# Altium PCB GND_Studio.PcbDoc
Units mm, origin at the board's own origin, x right, y up, seen from the top; angles counter-clockwise.
Board outline 70 x 78.1 mm, 2 copper layers (Top Layer, Bottom Layer); 79 components, 142 nets, 491 pads, 94 vias.
Unrouted connection lines stored in the file: 1.
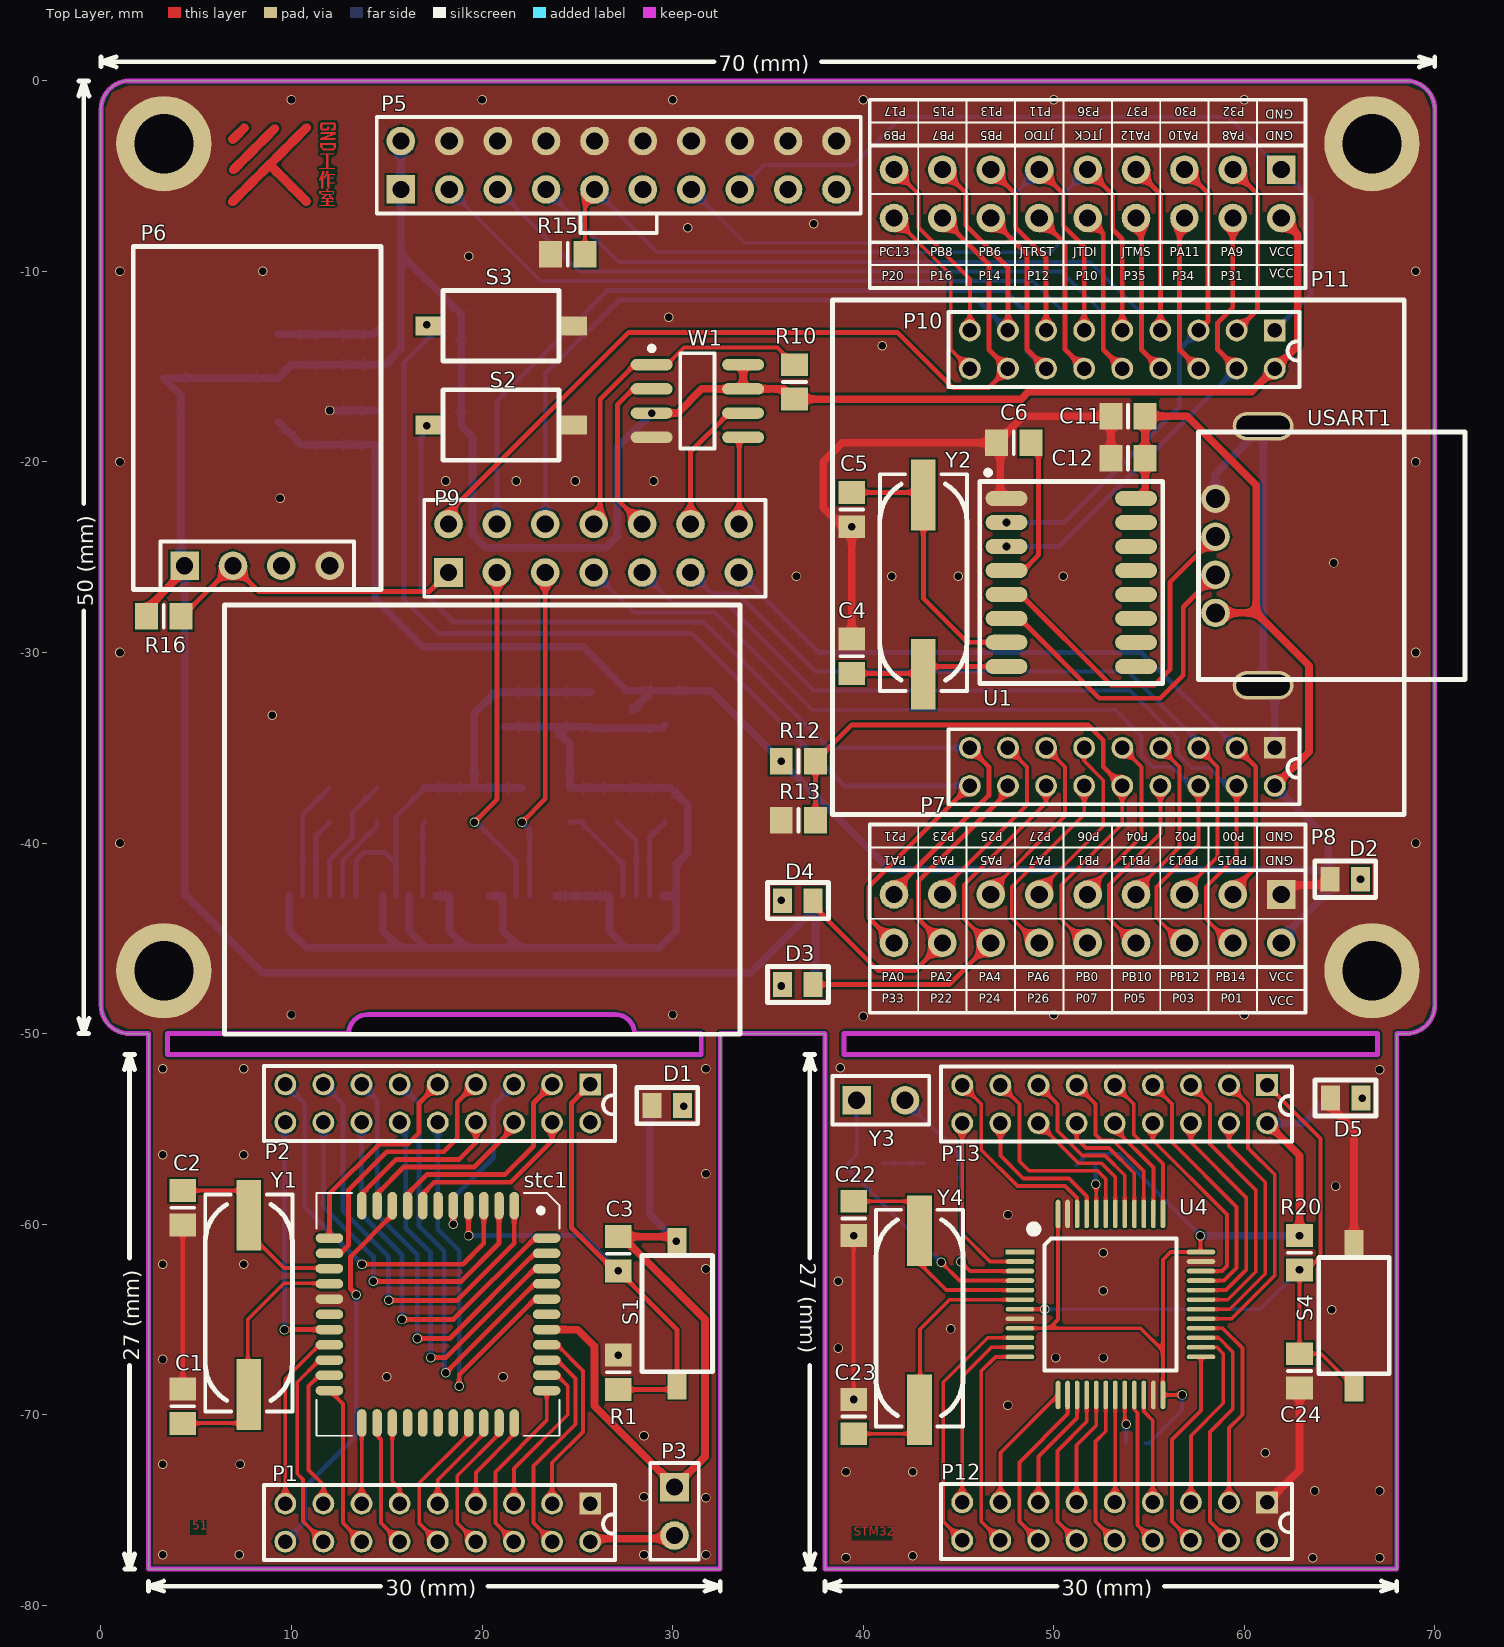
[diagram p0: Top Layer view]
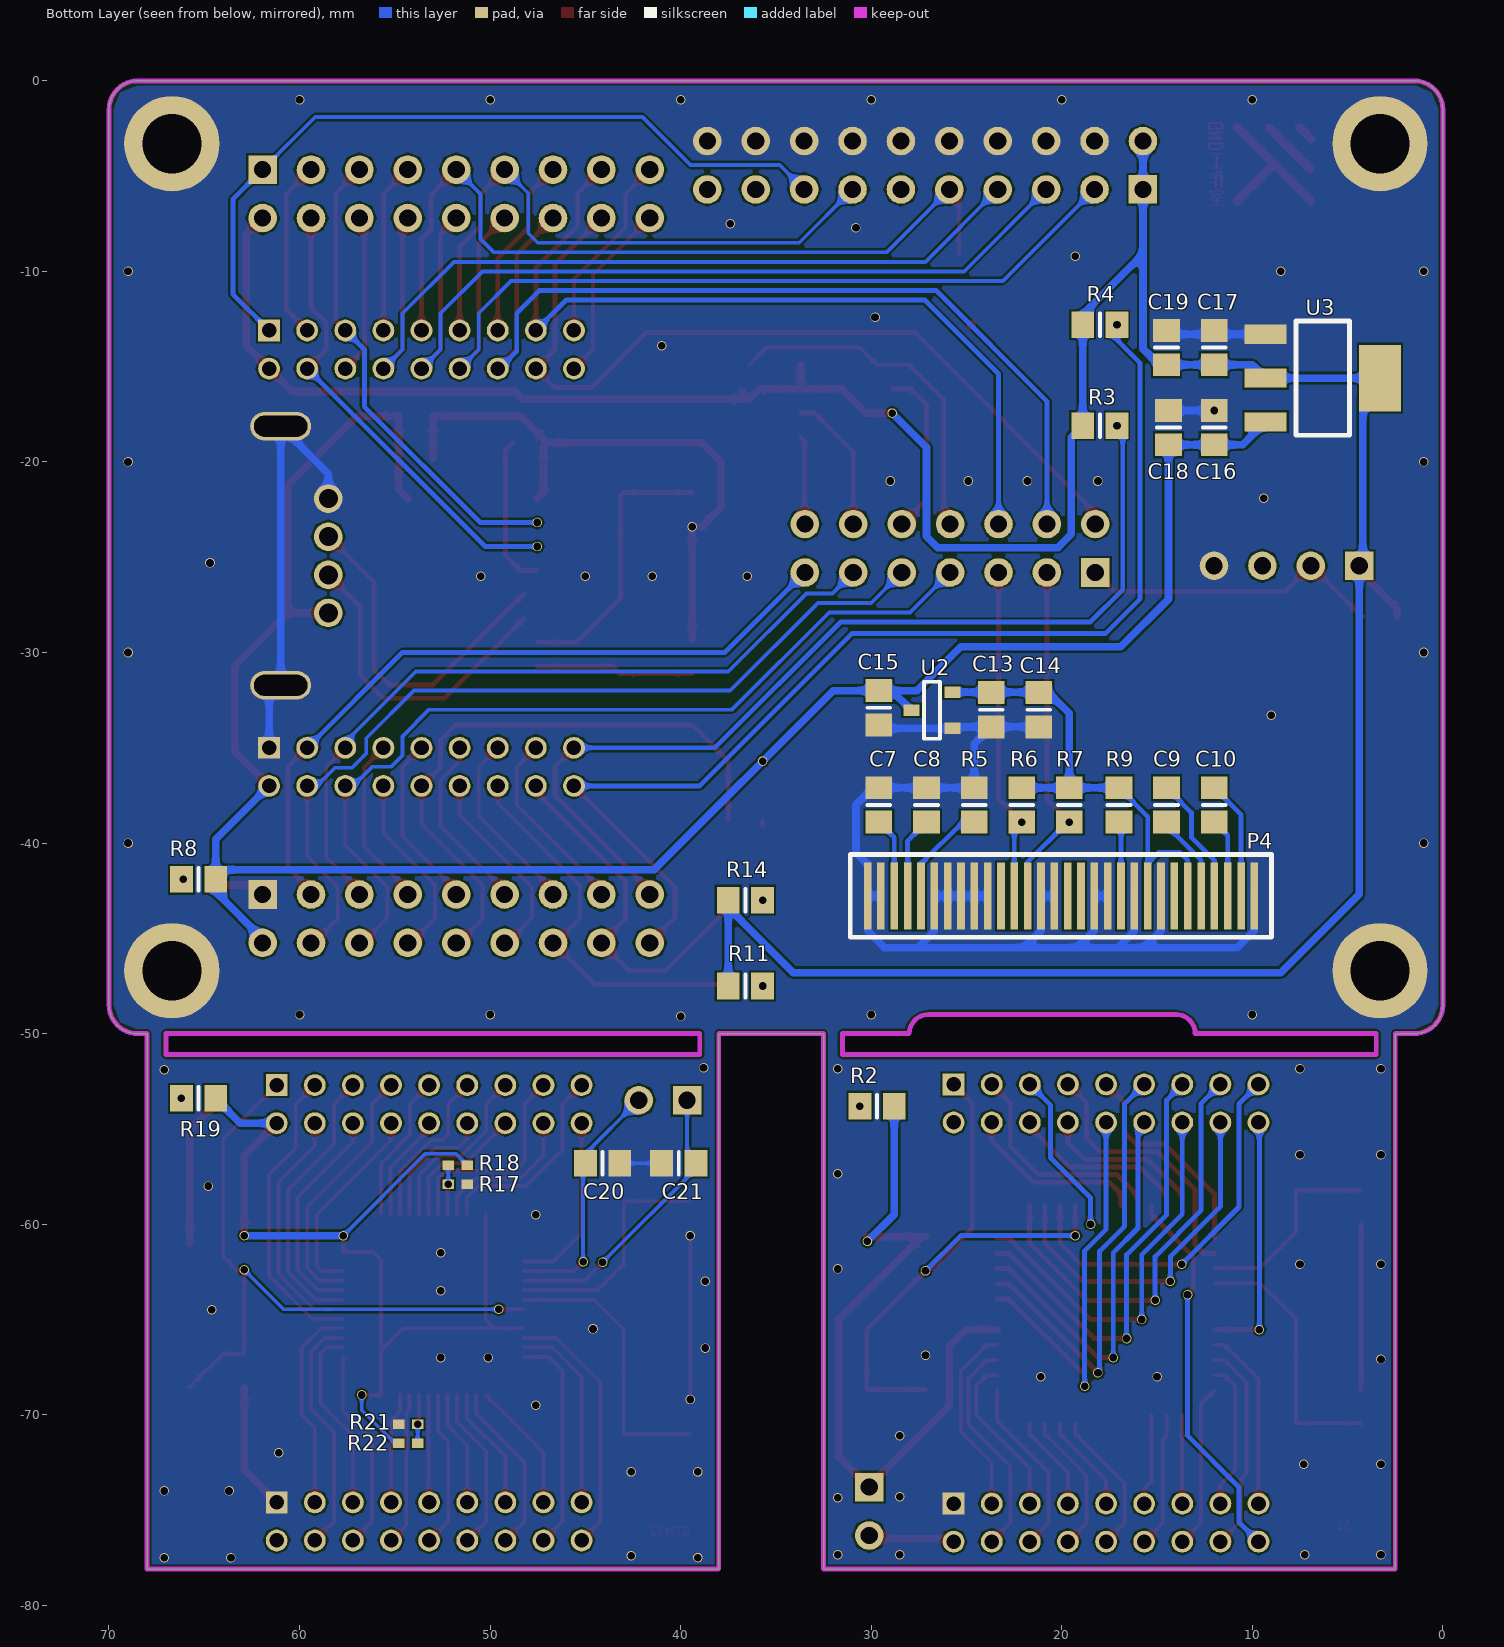
[diagram p1: Bottom Layer view, seen from below]

## Layer stack, top to bottom
Top Solder: solder mask 0.0102, Solder Resist, Dk 3.5
Top Layer: signal copper 0.0356
Dielectric 1: dielectric 0.32, FR-4, Dk 4.8
Bottom Layer: signal copper 0.0356
Bottom Solder: solder mask 0.0102, Solder Resist, Dk 3.5

## Board outline
2.5,-78.1 2.5,-50 1.5,-50 cw(c1.5,-48.5) 0,-48.5 0,-1.5 cw(c1.5,-1.5) 1.5,0 68.5,0 cw(c68.5,-1.5) 70,-1.5 70,-48.5 cw(c68.5,-48.5) 68.5,-50 68,-50 68,-78.1 38,-78.1 38,-50 32.5,-50 32.5,-78.1
cut-out: 39,-51.1 67,-51.1 67,-50 39,-50
cut-out: 3.5,-51.1 3.5,-50 13,-50 cw(c14,-50) 14,-49 27,-49 cw(c27,-50) 28,-50 31.5,-50 31.5,-51.1

## Design rules (kind name [scope] priority, off if disabled: settings)
Clearance [All] p1: gap=0.1
DiffPairsRouting [All] p1: maxlimit=0.254 minlimit=0.254 mostfreqgap=0.254 toplayer_minwidth=0.1 toplayer_maxwidth=0.381 toplayer_prefwidth=0.381 bottomlayer_minwidth=0.1 bottomlayer_maxwidth=0.381 bottomlayer_prefwidth=0.381 maxuncoupledlength=12.7
PlaneConnect [All] p1: planeconnectstyle=Direct reliefexpansion=0.508 reliefentries=4 reliefconductorwidth=0.254 reliefairgap=0.254
PolygonConnect [All] p1: connectstyle=Direct reliefconductorwidth=0.254 reliefentries=4 polygonreliefangle="90 Angle" airgapwidth=0.254
RoutingVias [All] p1: holewidth=0.1 width=1.27 viastyle="Through Hole" minholewidth=0.3 minwidth=0.1 maxholewidth=0.7 maxwidth=1.27
SolderMaskExpansion [All] p1: expansion=0.102
Width [All] p1: maxlimit=1 minlimit=0.1 preferedwidth=0.5
28 further rules are at their usual default settings.

## Classes and differential pairs
component class 51_board: C1 C2 C3 D1 P1 P2 P3 R1 R2 S1 stc1 Y1
component class stm32_board: C20 C21 C22 C23 C24 D5 P12 P13 R17 R18 R19 R20 R21 R22 S4 U4 Y3 Y4
component class main_board: C4 C5 C6 C7 C8 C9 C10 C11 C12 C13 C14 C15 C16 C17 C18 C19 C? D2 D3 D4 P4 P5 P6 P7 P8 P9 P10 P11 P? R3 R4 R5 R6 R7 R8 R9 R10 R11 R12 R13 R14 R15 R16 R? S2 S3 S? U1 U2 U3 U? USART1 USART? W1 Y2

## Components (designator, comment, footprint, x,y, rotation, side; value= is the part's Value field where it differs from the comment)
C1 "" 6-0805_N 4.292,-69.553 r270 top
C2 "" 6-0805_N 4.292,-59.139 r90 top
C3 "" 6-0805_N 27.152,-61.552 r90 top
C4 "" 6-0805_N 39.4,-30.2 r270 top
C5 "" 6-0805_N 39.4,-22.5 r90 top
C6 "" 6-0805_N 47.9,-19 r0 top
C7 "" 6-0805_N 29.6,-38 r270 bottom
C8 "" 6-0805_N 27.1,-38 r270 bottom
C9 "" 6-0805_N 14.5,-38 r90 bottom
C10 "" 6-0805_N 12,-38 r90 bottom
C11 "" 6-0805_N 53.9,-17.6 r0 top
C12 "" 6-0805_N 53.9,-19.8 r0 top
C13 "" 6-0805_N 23.7,-33 r90 bottom
C14 "" 6-0805_N 21.2,-33 r90 bottom
C15 "" 6-0805_N 29.6,-32.9 r90 bottom
C16 "" 6-0805_N 12,-18.2 r90 bottom
C17 "" 6-0805_N 12,-14 r270 bottom
C18 "" 6-0805_N 14.4,-18.2 r90 bottom
C19 "" 6-0805_N 14.5,-14 r270 bottom
C20 "" 6-0805_N 44.1,-56.8 r0 bottom
C21 "" 6-0805_N 40.1,-56.8 r180 bottom
C22 "" 6-0805_N 39.5,-59.7 r90 top
C23 "" 6-0805_N 39.5,-70.1 r270 top
C24 "" 6-0805_N 62.9,-67.7 r90 top
D1 "led" LED 29.7,-53.8 r180 top
D2 "led" LED 65.279,-41.922 r180 top
D3 "led" LED 36.6,-47.4 r0 top
D4 "led" LED 36.6,-43 r0 top
D5 "LED0" LED 65.3,-53.4 r180 top
P1 "Header 9X2" XDR2x9 12.5,-75.6 r0 top
P2 "Header 9X2" XDR2x9 12.5,-53.6 r0 top
P3 "Header 2" HDR1X2 30.1,-73.8 r270 top
P4 "0.96OLED" OLED 6.5,-50 r0 bottom
P5 "Header 10X2" JLINK 27.17,-4.43 r0 top
P6 "" DHT11 8.2,-17.7 r0 top
P7 "Header 9X2" XDR2x9_S 48.424,-35.936 r0 top
P8 "Header 9X2" XDR2x9_L_1 58.13,-43.97 r180 top
P9 "Header 7X2" XDR2X7 25.86,-24.53 r0 top
P10 "Header 9X2" XDR2x9_S 48.424,-14.036 r0 top
P11 "Header 9X2" XDR2x9_L_2 58.13,-5.93 r180 top
P12 "Header 9X2" XDR2x9 48.024,-75.536 r0 top
P13 "Header 9X2" XDR2x9 48.024,-53.636 r0 top
R1 "" 6-0805_N 27.152,-67.775 r270 top
R2 "" 6-0805_N 29.692,-53.805 r0 bottom
R3 "" 6-0805_N 18,-18.1 r0 bottom
R4 "" 6-0805_N 18,-12.8 r0 bottom
R5 "" 6-0805_N 24.6,-38 r90 bottom
R6 "" 6-0805_N 22.1,-38 r90 bottom
R7 "" 6-0805_N 19.6,-38 r90 bottom
R8 "" 6-0805_N 65.3,-41.9 r0 bottom
R9 "" 6-0805_N 17,-38 r90 bottom
R10 "" 6-0805_N 36.4,-15.8 r90 top
R11 "" 6-0805_N 36.6,-47.5 r180 bottom
R12 "" 6-0805_N 36.6,-35.7 r180 top
R13 "" 6-0805_N 36.6,-38.8 r180 top
R14 "" 6-0805_N 36.6,-43 r180 bottom
R15 "" 6-0805_N 24.5,-9.1 r0 top
R16 "" 6-0805_N 3.3,-28.1 r0 top
R17 "" 0402 51.7,-57.9 r0 bottom
R18 "" 0402 51.7,-56.9 r180 bottom
R19 "" 6-0805_N 65.3,-53.4 r180 bottom
R20 "" 6-0805_N 62.9,-61.5 r90 top
R21 "" 0402 54.3,-70.5 r180 bottom
R22 "" 0402 54.3,-71.5 r0 bottom
S1 "RST" SPST-2 30.3,-64.7 r90 top
S2 "" SPST-2 21,-18 r180 top
S3 "" SPST-2 21,-12.8 r180 top
S4 "SW-PB" SPST-2 65.7,-64.8 r270 top
stc1 "C52" LQFP44 17.5,-65 r270 top
U1 "CH340G" SOP-16 51,-26.4 r0 top
U2 "SC662K" SOP23 26.8,-33 r90 bottom
U3 "ASM1117" SOT-223 6.3,-15.6 r0 bottom
U4 "stm32f103C8T6" LQFP48 52.9,-64.1 r0 top
USART1 "USB" USB 64.6,-24.9 r270 top
W1 "U?" SO8_N 31.3,-16.8 r0 top
Y1 "12M" HC-49S 7.8,-64.2 r90 top
Y2 "12M" HC-49S 43.2,-26.4 r90 top
Y3 "32.768Hz" HDR1X2 39.66,-53.5 r0 top
Y4 "8MHz" HC-49S 43,-65 r90 top

## Footprints (in the part's own frame and the unit in brackets; to place one, negate y for a bottom-side part, rotate by r counter-clockwise, add the part's x,y. Pads: shape width x height; smd on the part's side, far side on the other; paste and mask are expansions set on the pad)
6-0805_N [mm] "Chip Resistor, Body 2.0x1.2mm, IPC Medium Density"
  rect 1.2x1.4 smd: 1(-0.9,0) 2(0.9,0)
  silkscreen extent 0,-0.6 0,0.6, body extent -1.07,-0.7 1.07,0.7, height 0.7
0402 [mm] "Chip Capacitor, Body 1.0x0.5mm, IPC High Density"
  rect 0.6x0.5 smd: 1(-0.5,0) 2(0.5,0)
  body extent -0.55,-0.3 0.55,0.3, height 1.3
DHT11 [mm]
  rect 1.5x1.5 hole 0.9: 1(-3.81,-7.747)
  round 1.5 hole 0.9: 2(-1.27,-7.747) 3(1.27,-7.747) 4(3.81,-7.747)
  silkscreen extent -6.5,-9.02 6.5,9
HC-49S [mil]
  rect 146x51 smd: 1(-186.46,1.54) 2(183.54,1.54)
  silkscreen extent -221,-88 227,92, body extent -241,-91 243,94, height 169
HDR1X2 [mm] "Connector; Header; 2 Position"
  rect 1.5x1.5 hole 0.9: 1(0,0)
  round 1.5 hole 0.9: 2(2.54,0)
  silkscreen extent -1.27,-1.27 3.81,1.27
JLINK [mm]
  rect 1.5x1.5 hole 0.9: 1(-11.43,-1.27)
  round 1.5 hole 0.9: 2(-11.43,1.27) 3(-8.89,-1.27) 4(-8.89,1.27) 5(-6.35,-1.27) 6(-6.35,1.27) 7(-3.81,-1.27) 8(-3.81,1.27) 9(-1.27,-1.27) 10(-1.27,1.27) 11(1.27,-1.27) 12(1.27,1.27) 13(3.81,-1.27) 14(3.81,1.27) 15(6.35,-1.27) 16(6.35,1.27) 17(8.89,-1.27) 18(8.89,1.27) 19(11.43,-1.27) 20(11.43,1.27)
  silkscreen extent -12.7,-3.56 12.7,2.54
LED [mm]
  rect 1x1.3 smd: 1(-0.821,-0.022) 2(0.779,-0.022)
  silkscreen extent -1.62,-0.97 1.58,0.93, body extent -1.03,-0.65 0.99,0.6, height 1.1
LQFP44 [mm]
  oval 1.45x0.5 smd: 1(-5.969,4.191) 2(-5.969,3.391) 3(-5.969,2.591) 4(-5.969,1.791) 5(-5.969,0.991) 6(-5.969,0.191) 7(-5.969,-0.609) 8(-5.969,-1.409) 9(-5.969,-2.209) 10(-5.969,-3.009) 11(-5.969,-3.809) 23(5.431,-3.809) 24(5.431,-3.009) 25(5.431,-2.209) 26(5.431,-1.409) 27(5.431,-0.609) 28(5.431,0.191) 29(5.431,0.991) 30(5.431,1.791) 31(5.431,2.591) 32(5.431,3.391) 33(5.431,4.191)
  oval 0.5x1.45 smd: 12(-4.269,-5.509) 13(-3.469,-5.509) 14(-2.669,-5.509) 15(-1.869,-5.509) 16(-1.069,-5.509) 17(-0.269,-5.509) 18(0.531,-5.509) 19(1.331,-5.509) 20(2.131,-5.509) 21(2.931,-5.509) 22(3.731,-5.509) 34(3.731,5.891) 35(2.931,5.891) 36(2.131,5.891) 37(1.331,5.891) 38(0.531,5.891) 39(-0.269,5.891) 40(-1.069,5.891) 41(-1.869,5.891) 42(-2.669,5.891) 43(-3.469,5.891) 44(-4.269,5.891)
  silkscreen extent -6.64,-6.18 6.11,6.57
LQFP48 [mm]
  rect 1.5x0.25 smd: 1(-4.67,2.637)
  oval 1.5x0.25 smd: 2(-4.67,2.137) 3(-4.67,1.637) 4(-4.67,1.137) 5(-4.67,0.637) 6(-4.67,0.137) 7(-4.67,-0.363) 8(-4.67,-0.863) 9(-4.67,-1.363) 10(-4.67,-1.863) 11(-4.67,-2.363) 12(-4.67,-2.863) 25(4.83,-2.863) 26(4.83,-2.363) 27(4.83,-1.863) 28(4.83,-1.363) 29(4.83,-0.863) 30(4.83,-0.363) 31(4.83,0.137) 32(4.83,0.637) 33(4.83,1.137) 34(4.83,1.637) 35(4.83,2.137) 36(4.83,2.637)
  oval 0.25x1.5 smd: 13(-2.67,-4.863) 14(-2.17,-4.863) 15(-1.67,-4.863) 16(-1.17,-4.863) 17(-0.67,-4.863) 18(-0.17,-4.863) 19(0.33,-4.863) 20(0.83,-4.863) 21(1.33,-4.863) 22(1.83,-4.863) 23(2.33,-4.863) 24(2.83,-4.863) 37(2.83,4.637) 38(2.33,4.637) 39(1.83,4.637) 40(1.33,4.637) 41(0.83,4.637) 42(0.33,4.637) 43(-0.17,4.637) 44(-0.67,4.637) 45(-1.17,4.637) 46(-1.67,4.637) 47(-2.17,4.637) 48(-2.67,4.637)
  silkscreen extent -4.14,-3.58 3.54,4.04, body extent -4.45,-4.59 4.55,4.41, height 1.56
OLED [mm]
  rect 0.4x3.5 smd: 1(3.39,-7.219) 2(4.09,-7.219) 3(4.79,-7.219) 4(5.49,-7.219) 5(6.19,-7.219) 6(6.89,-7.219) 7(7.59,-7.219) 8(8.29,-7.219) 9(8.99,-7.219) 10(9.69,-7.219) 11(10.39,-7.219) 12(11.09,-7.219) 13(11.79,-7.219) 14(12.49,-7.219) 15(13.19,-7.219) 16(13.89,-7.219) 17(14.59,-7.219) 18(15.29,-7.219) 19(15.99,-7.219) 20(16.69,-7.219) 21(17.39,-7.219) 22(18.09,-7.219) 23(18.79,-7.219) 24(19.49,-7.219) 25(20.19,-7.219) 26(20.89,-7.219) 27(21.59,-7.219) 28(22.29,-7.219) 29(22.99,-7.219) 30(23.69,-7.219)
  silkscreen extent 2.5,-9.4 24.6,-5.06, body extent 0.15,-22.34 26.85,-0.12, height 0.22
SO8_N [mm] "SOIC, 8-Leads, Body 4.9x3.9mm, Pitch 1.27mm, IPC Medium Density"
  oval 2.2x0.6 smd: 1(-2.4,1.905) 2(-2.4,0.635) 3(-2.4,-0.635) 4(-2.4,-1.905) 5(2.4,-1.905) 6(2.4,-0.635) 7(2.4,0.635) 8(2.4,1.905)
  silkscreen extent -2.52,-2.5 0.9,2.88, body extent -2,-2.5 2,2.5, height 1.75
SOP23 [mm]
  rect 0.6x0.85 smd: 1(-0.981,-1.064) 2(0.919,-1.064) 3(-0.031,1.086)
  silkscreen extent -1.53,-0.41 1.47,0.43, body extent -1.54,-1.21 1.46,1.29, height 1.1
SOP-16 [mm]
  oval 2.2x0.8 smd: 1(-3.477,4.484) 2(-3.477,3.224) 3(-3.477,1.964) 4(-3.477,0.704) 5(-3.477,-0.556) 6(-3.477,-1.816) 7(-3.477,-3.066) 8(-3.477,-4.336) 9(3.323,-4.336) 10(3.323,-3.076) 11(3.323,-1.816) 12(3.323,-0.556) 13(3.323,0.704) 14(3.323,1.964) 15(3.323,3.224) 16(3.323,4.484)
  silkscreen extent -4.88,-5.23 4.72,5.97, body extent -4.04,-5.03 3.88,5.17, height 2
SOT-223 [mm]
  rect 2.2x1 smd: 1(3,-2.3) 2(3,0) 3(3,2.3)
  rect 2.2x3.5 smd: 2(-3,0)
  silkscreen extent -1.4,-3 1.4,3, body extent -3.49,-3.24 3.49,3.24, height 1.64
SPST-2 [mm]
  rect 1.4x1 smd: 1(-3.797,0.061) 2(3.803,0.061)
  silkscreen extent -3.05,-1.79 3.05,1.91, body extent -4.07,-1.74 4.07,1.86, height 2.49
USB [mm]
  round 1.5 hole 1: 1(3.023,-6.11) 2(1.023,-6.11) 3(-0.977,-6.11) 4(-2.977,-6.11)
  oval 1.5x3.2 hole 2.8 slot 1.1 at 0 deg: 5(-6.777,-3.61) 6(6.823,-3.61)
  silkscreen extent -6.48,-7.01 6.52,6.99
XDR2X7 [mm]
  rect 1.5x1.5 hole 0.9: 1(-7.62,-1.27)
  round 1.5 hole 0.9: 2(-7.62,1.27) 3(-5.08,-1.27) 4(-5.08,1.27) 5(-2.54,-1.27) 6(-2.54,1.27) 7(0,-1.27) 8(0,1.27) 9(2.54,-1.27) 10(2.54,1.27) 11(5.08,-1.27) 12(5.08,1.27) 13(7.62,-1.27) 14(7.62,1.27)
  silkscreen extent -8.89,-2.54 9.02,2.54
XDR2x9 [mil]
  rect 45x45 hole 30: 1(518.74,36.85)
  round 45 hole 30: 2(518.74,-41.89) 3(440,36.85) 4(440,-41.89) 5(361.26,36.85) 6(361.26,-41.89) 7(282.52,36.85) 8(282.52,-41.89) 9(203.78,36.85) 10(203.78,-41.89) 11(125.04,36.85) 12(125.04,-41.89) 13(46.3,36.85) 14(46.3,-41.89) 15(-32.44,36.85) 16(-32.44,-41.89) 17(-111.18,36.85) 18(-111.18,-41.89)
  silkscreen extent -155,-80 570,75
XDR2x9_L_1 [mm]
  rect 1.5x1.5 hole 0.9: 1(-3.81,-1.27)
  round 1.5 hole 0.9: 2(-3.81,1.27) 3(-1.27,-1.27) 4(-1.27,1.27) 5(1.27,-1.27) 6(1.27,1.27) 7(3.81,-1.27) 8(3.81,1.27) 9(6.35,-1.27) 10(6.35,1.27) 11(8.89,-1.27) 12(8.89,1.27) 13(11.43,-1.27) 14(11.43,1.27) 15(13.97,-1.27) 16(13.97,1.27) 17(16.51,-1.27) 18(16.51,1.27)
  silkscreen extent -5.08,-4.94 17.78,4.95
XDR2x9_L_2 [mm]
  rect 1.5x1.5 hole 0.9: 1(-3.81,-1.27)
  round 1.5 hole 0.9: 2(-3.81,1.27) 3(-1.27,-1.27) 4(-1.27,1.27) 5(1.27,-1.27) 6(1.27,1.27) 7(3.81,-1.27) 8(3.81,1.27) 9(6.35,-1.27) 10(6.35,1.27) 11(8.89,-1.27) 12(8.89,1.27) 13(11.43,-1.27) 14(11.43,1.27) 15(13.97,-1.27) 16(13.97,1.27) 17(16.51,-1.27) 18(16.51,1.27)
  silkscreen extent -5.08,-4.94 17.78,4.95
XDR2x9_S [mil]
  rect 45x45 hole 30: 1(518.74,36.85)
  round 45 hole 30: 2(518.74,-41.89) 3(440,36.85) 4(440,-41.89) 5(361.26,36.85) 6(361.26,-41.89) 7(282.52,36.85) 8(282.52,-41.89) 9(203.78,36.85) 10(203.78,-41.89) 11(125.04,36.85) 12(125.04,-41.89) 13(46.3,36.85) 14(46.3,-41.89) 15(-32.44,36.85) 16(-32.44,-41.89) 17(-111.18,36.85) 18(-111.18,-41.89)
  silkscreen extent -155,-80 570,75

## Part data
C1 C2 C3 C4 C5 C6 C7 C8 C9 C10 C11 C12 C13 C14 C15 C16 C17 C18 C19 C20 C21 C22 C23 C24: library part Cap, "Capacitor"
D1 D2 D3 D4: library part LED0, "Typical INFRARED GaAs LED"
D5: "Typical INFRARED GaAs LED"
P1 P2 P7 P8 P10 P11 P12 P13: "Header, 9-Pin, Dual row"
P3: "Header, 2-Pin"
P4: "接口"
P5: "Header, 10-Pin, Dual row"
P6: library part "Header 4", "Header, 4-Pin"
P9: "Header, 7-Pin, Dual row"
R1 R2 R8 R10 R11 R12 R13 R14: library part Res2, "Resistor"
R3 R4 R5 R6 R7 R9 R15 R16 R17 R18 R19 R20 R21 R22: library part Res1, "Resistor"
S1 S2 S3: library part SW-PB, "Switch"
S4: "Switch"
W1: library part W25Q16
Y1 Y2 Y3 Y4: library part XTAL, "Crystal Oscillator"

## Free pads (board coordinates)
  round 5 hole 3.1: 0(3.3,-46.7) 0(3.3,-3.3) 0(66.7,-46.7) 0(66.7,-3.3)
  round 0.5 hole 0.4: 2(30.592,-53.805) 5(27.152,-66.875) 6(66.2,-53.4) 10(62.9,-62.4) 12(39.5,-60.6) 13(39.5,-69.2) 14(39.1,-73) 15(42.6,-73) 16(42.6,-77.4) 17(39.1,-77.5) 18(27.152,-62.452) 30(19.6,-38.9) 31(22.1,-38.9) 32(66.1,-41.9) 33(30.2,-60.9) 34(62.9,-60.6) 37(17.1,-12.8) 41(47.523,-23.176) 42(47.523,-24.436) 43(28.9,-17.435) 44(35.7,-43) 45(35.7,-47.5) 46(35.7,-35.7) 47(12,-17.3) 48(39.4,-23.4) 49(17.1,-18.1)

## Via types
v1: diameter 0.5, hole 0.4, Top Layer to Bottom Layer, 94 vias

## Nets (pads, with @x,y where several pads share a name; then routed paths per layer and width w, separated by ;. In a path a pad name is that pad's centre, name@x,y a point inside that pad or via, vN(x,y) a via of type N, cw(c..) or ccw(c..) an arc to the next point about the centre after c; other vN are vias at no path point)
32_VCC_3V3: P13.2 pad.34 R18.2 R19.2 R20.2 R22.2 U4.9 U4.24 U4.36 U4.48 | length 52.8
  Top Layer w0.2: U4.9 49.763,-65.463 ; U4.48 50.23,-64.996 49.763,-65.463 ; v1(56.737,-68.963) U4.24 55.73,-66.63 ; v1(57.7,-60.6) 57.7,-61.433 U4.36 56.137,-61.463 55.73,-61.87 55.73,-66.63 ; 49.763,-65.463 54.563,-65.463 55.73,-66.63
  Top Layer w0.4: P13.2 62.9,-56.4 R20.2
  Bottom Layer w0.2: R18.2 51.8,-56.3 53.4,-56.3 v1(57.7,-60.6) ; R22.2 55,-71.5 56.737,-69.763 v1(56.737,-68.963)
  Bottom Layer w0.4: v1(57.7,-60.6) pad.34 ; P13.2 63.1,-54.7 R19.2
32_VCC_5V: P12.2
51_VCC_3V3: P2.2
51_VCC_5V: C3.2 P3.1 pad.33 R2.1 S1.2 stc1.38 | length 38.3
  Top Layer w0.4: stc1.38 25.031,-65.531 25.9,-66.4 25.9,-69.535 P3.1@30.067,-73.702 ; C3.2 C3.2@27.352,-60.652 ; P3.1 31.7,-72.2 31.7,-65 C3.2@27.352,-60.652 ; S1.2@30.232,-60.679 30.205,-60.652 C3.2@27.352,-60.652
  Bottom Layer w0.4: R2.1 28.792,-59.492 pad.33
BOOT0: R17.2 R18.1 U4.44 | length 2.6
  Top Layer w0.2: v1(52.2,-57.9) 52.23,-57.93 U4.44
  Bottom Layer w0.2: v1(52.2,-57.9) R18.1
BOOT1: R21.2 R22.1 U4.20 | length 2.6
  Top Layer w0.2: U4.20 53.73,-70.43 v1(53.8,-70.5)
  Bottom Layer w0.2: R22.1 v1(53.8,-70.5)
CS: P9.8 R10.2 W1.1 | length 18.4
  Top Layer w0.2: W1.1@28.005,-14.895 W1.1 29.705,-14.895 30.6,-14 35.5,-14 R10.2
  Top Layer w0.254: P9.8 26.2,-22.92 26.2,-16.7 W1.1@28.005,-14.895
DHT11: P6.2 P9.1 R16.2 | length 16.1
  Top Layer w0.254: R16.2 4.277,-28.1 P6.2 8.283,-26.8 17.24,-26.8 P9.1
GND: C1.1 C2.1 C4.1 C5.1 C6.1 C7.1 C8.1 C11.1 C12.1 C13.1 C14.1 C15.1 C16.2 C17.1 C18.2 C19.1 C20.1 C21.1 C22.1 C23.1 C24.1 D1.2 D2.2 D5.2 P1.1 P4.1 P4.8 P4.10 P4.12 P4.13 P4.16 P4.17 P4.21 P4.22 P4.23 P4.24 P4.25 P4.29 P4.30 P5.4 P5.6 P5.8 P5.10 P5.12 P5.14 P5.16 P5.18 P5.20 P6.4 P7.1 P8.1 P12.1 pad.0 pad.5 pad.12 pad.13 pad.14 pad.15 pad.16 pad.17 pad.47 pad.48 R1.1 R5.2 R13.2 R15.1 R17.1 R21.1 S2.1 S3.1 S4.1 stc1.16 U1.1 U2.1 U3.1 U4.8 U4.23 U4.35 U4.47 USART1.4 USART1.5 USART1.6 W1.4 | length 167.9
  Top Layer w0.2: R13.2@35.7,-39.1 R13.2 ; C23.1 C22.1
  Top Layer w0.254: C1.1 C2.1 ; D1.2@28.843,-53.856 D1.2@28.843,-53.643
  Top Layer w0.4: S3.1@24.697,-12.761 S3.1 ; C4.1 C5.1 38.9,-23.4 37.9,-22.4 37.9,-20 38.9,-19 C6.1 ; U1.1 47.2,-21.593 47.2,-19.2 C6.1 ; C12.1 C11.1 48.4,-17.6 C6.1 ; P12.1 62.9,-72.9 C24.1 ; P8.1@61.76,-42.66 62.22,-42.2 64.2,-42.2 D2.2 ; D5.2 64.521,-53.821 65.761,-55.061 S4.1
  Bottom Layer w0.2: C21.1 C20.1
  Bottom Layer w0.4: U3.1 14.3,-13.3 C19.1 ; P4.1 9.89,-44.59 10.8,-45.5 15.7,-45.5 ; pad.47 C18.2 ; P4.8 14.79,-44.59 15.7,-45.5 ; P4.10 16.19,-44.631 17,-45.441 17,-45.5 ; P4.12 P4.13 18.29,-44.59 19.2,-45.5 ; P4.16 P4.17 21.09,-44.59 22,-45.5 ; C14.1 C13.1 ; P4.21 P4.22 P4.24 P4.25 26.69,-44.631 27.5,-45.441 27.5,-45.5 ; P4.29 P4.30 ; C15.1 29.419,-33.981 U2.1 25.655,-33.9 C13.1 ; USART1.4 58.49,-20.623 USART1.5 USART1.6 61.6,-32.333 P7.1 ; 15.7,-45.5 17,-45.5 ; 17,-45.5 19.2,-45.5 ; 19.2,-45.5 22,-45.5 ; 22,-45.5 27.5,-45.5 ; C13.1 24.6,-34.8 R5.2 C7.1 29.9,-37.1 30.8,-38 30.8,-40.5 30.19,-41.11 P4.30 ; 27.5,-45.5 29.3,-45.5 30.19,-44.61 P4.30
  other v1: 63.6,-77.5 67.1,-77.5 3.25,-77.35 7.25,-77.35 28.5,-77.35 31.75,-77.35 31.75,-74.35 28.5,-74.3 63.7,-74 67.1,-74 3.25,-72.6 7.3,-72.6 61.1,-72 28.5,-71.1 47.6,-69.5 15,-68 21.1,-68 3.25,-67.1 50.1,-67 52.6,-67 38.7,-66.5 44.6,-65.5 64.6,-64.5 52.6,-63.5 38.7,-63 31.75,-62.35 3.25,-62.1 7.5,-62.1 52.6,-61.5 47.6,-59.5 64.8,-58 31.75,-57.35 3.25,-56.35 7.5,-56.35 67.1,-51.9 3.25,-51.85 7.5,-51.85 31.75,-51.85 38.8,-51.8 40,-49.1 10,-49 30,-49 50,-49 60,-49 1,-40 69,-40 9,-33.3 1,-30 69,-30 36.5,-26 41.5,-26 45,-26 50.5,-26 64.7,-25.3 9.4,-21.9 18.1,-21 21.8,-21 24.9,-21 29,-21 1,-20 69,-20 41,-13.9 29.8,-12.4 1,-10 8.5,-10 69,-10 19.3,-9.2 30.8,-7.7 37.4,-7.5 10,-1 20,-1 30,-1 40,-1 50,-1 60,-1
IN_5V: P1.2 P3.2 | length 4.6
  Top Layer w0.4: P1.2 25.84,-76.5 29.94,-76.5 P3.2
JTCK: P13.9 U4.37 | length 7.8
  Top Layer w0.2: P13.9 54.2,-53.7 54.2,-55.3 55.73,-56.83 U4.37
JTDI: P13.10 U4.38 | length 5.6
  Top Layer w0.2: P13.10 53.2,-55 55.23,-57.03 U4.38
JTDO: P13.11 U4.39 | length 8.6
  Top Layer w0.2: P13.11 52.2,-53.7 52.2,-55.3 52.5,-55.6 53.1,-55.6 54.73,-57.23 U4.39
JTMS: P13.8 U4.34 | length 10.6
  Top Layer w0.2: P13.8 55.2,-55.6 59.1,-59.5 59.1,-62.2 58.837,-62.463 U4.34
JTRST: P13.12 U4.40 | length 6.7
  Top Layer w0.2: P13.12 51.2,-55.5 51.7,-56 52.9,-56 54.23,-57.33 U4.40
M_NRST: P5.15 P10.1 P11.1 | length 41
  Bottom Layer w0.2: P5.15 34.8,-4.42 39.48,-4.42 42,-1.9 59.18,-1.9 P11.1
  Bottom Layer w0.254: P10.1 63.5,-11.2 63.5,-6.22 P11.1
MISO: P9.10 W1.2 | length 8.9
  Top Layer w0.254: P9.10 27.1,-21.96 27.1,-17 27.935,-16.165 W1.2
MOSI: P9.14 W1.5 | length 4.6
  Top Layer w0.254: P9.14 33.5,-23.24 33.5,-18.905 W1.5
NetC1_2: C1.2 stc1.15 Y1.1 | length 13.9
  Top Layer w0.2: C1.2 4.303,-70.442 7.709,-70.442 7.709,-64.991 9.6,-63.1 stc1.15@11.991,-63.1